# Altium PCB GrappleRobot_ControlBoard_V1.0.PcbDoc
Units mil, origin at the board's own origin, x right, y up, seen from the top; angles counter-clockwise.
Board outline 1968.5 x 1968.5 mil, 2 copper layers (Top Layer, Bottom Layer); 47 components, 51 nets, 189 pads, 69 vias.
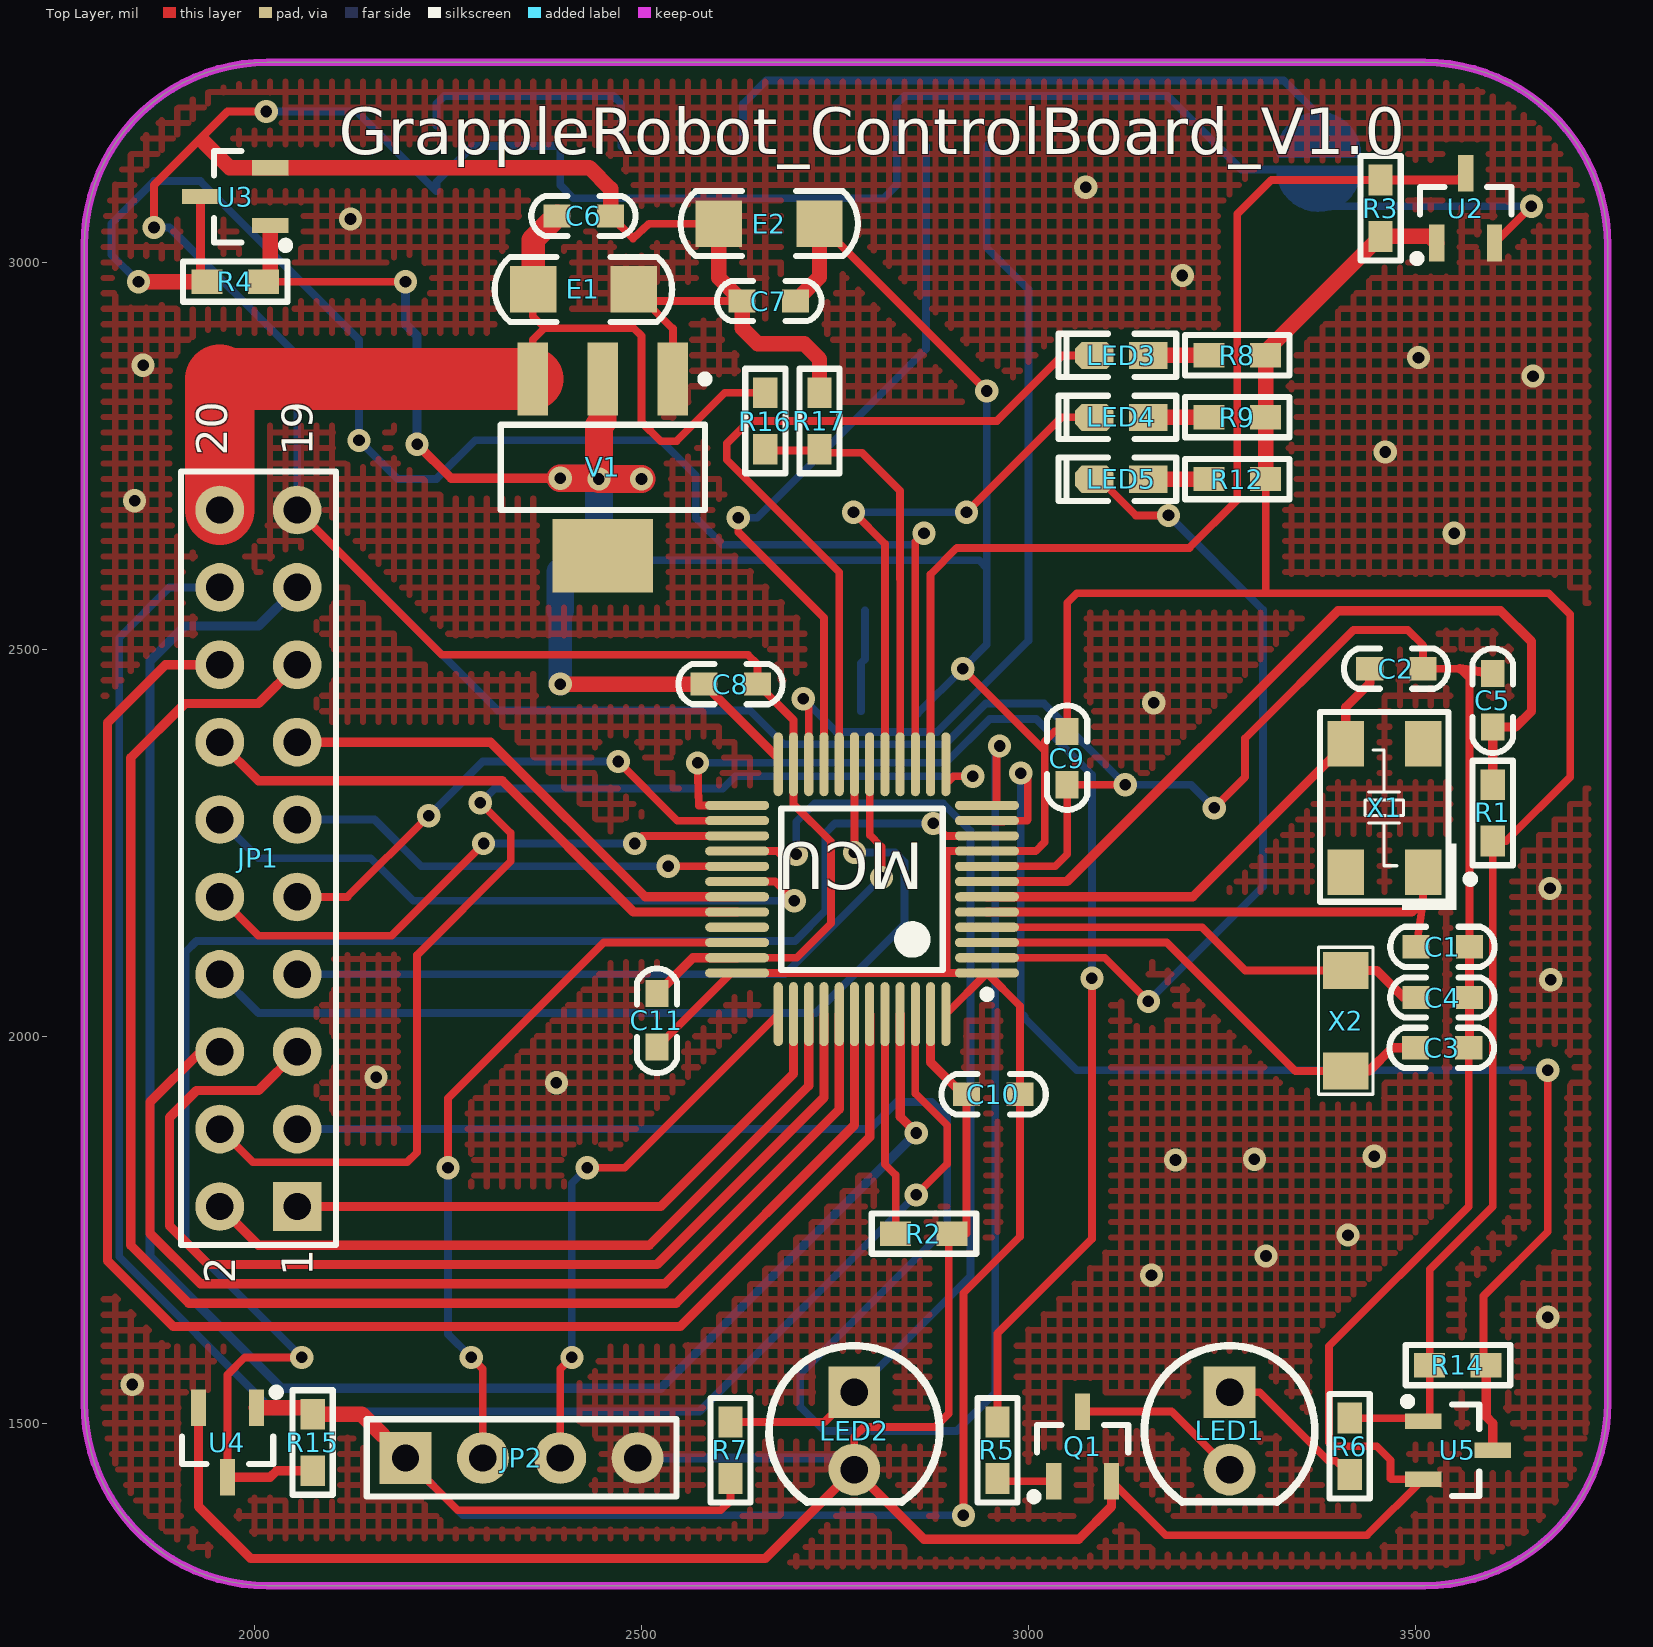
[diagram p0: Top Layer view]
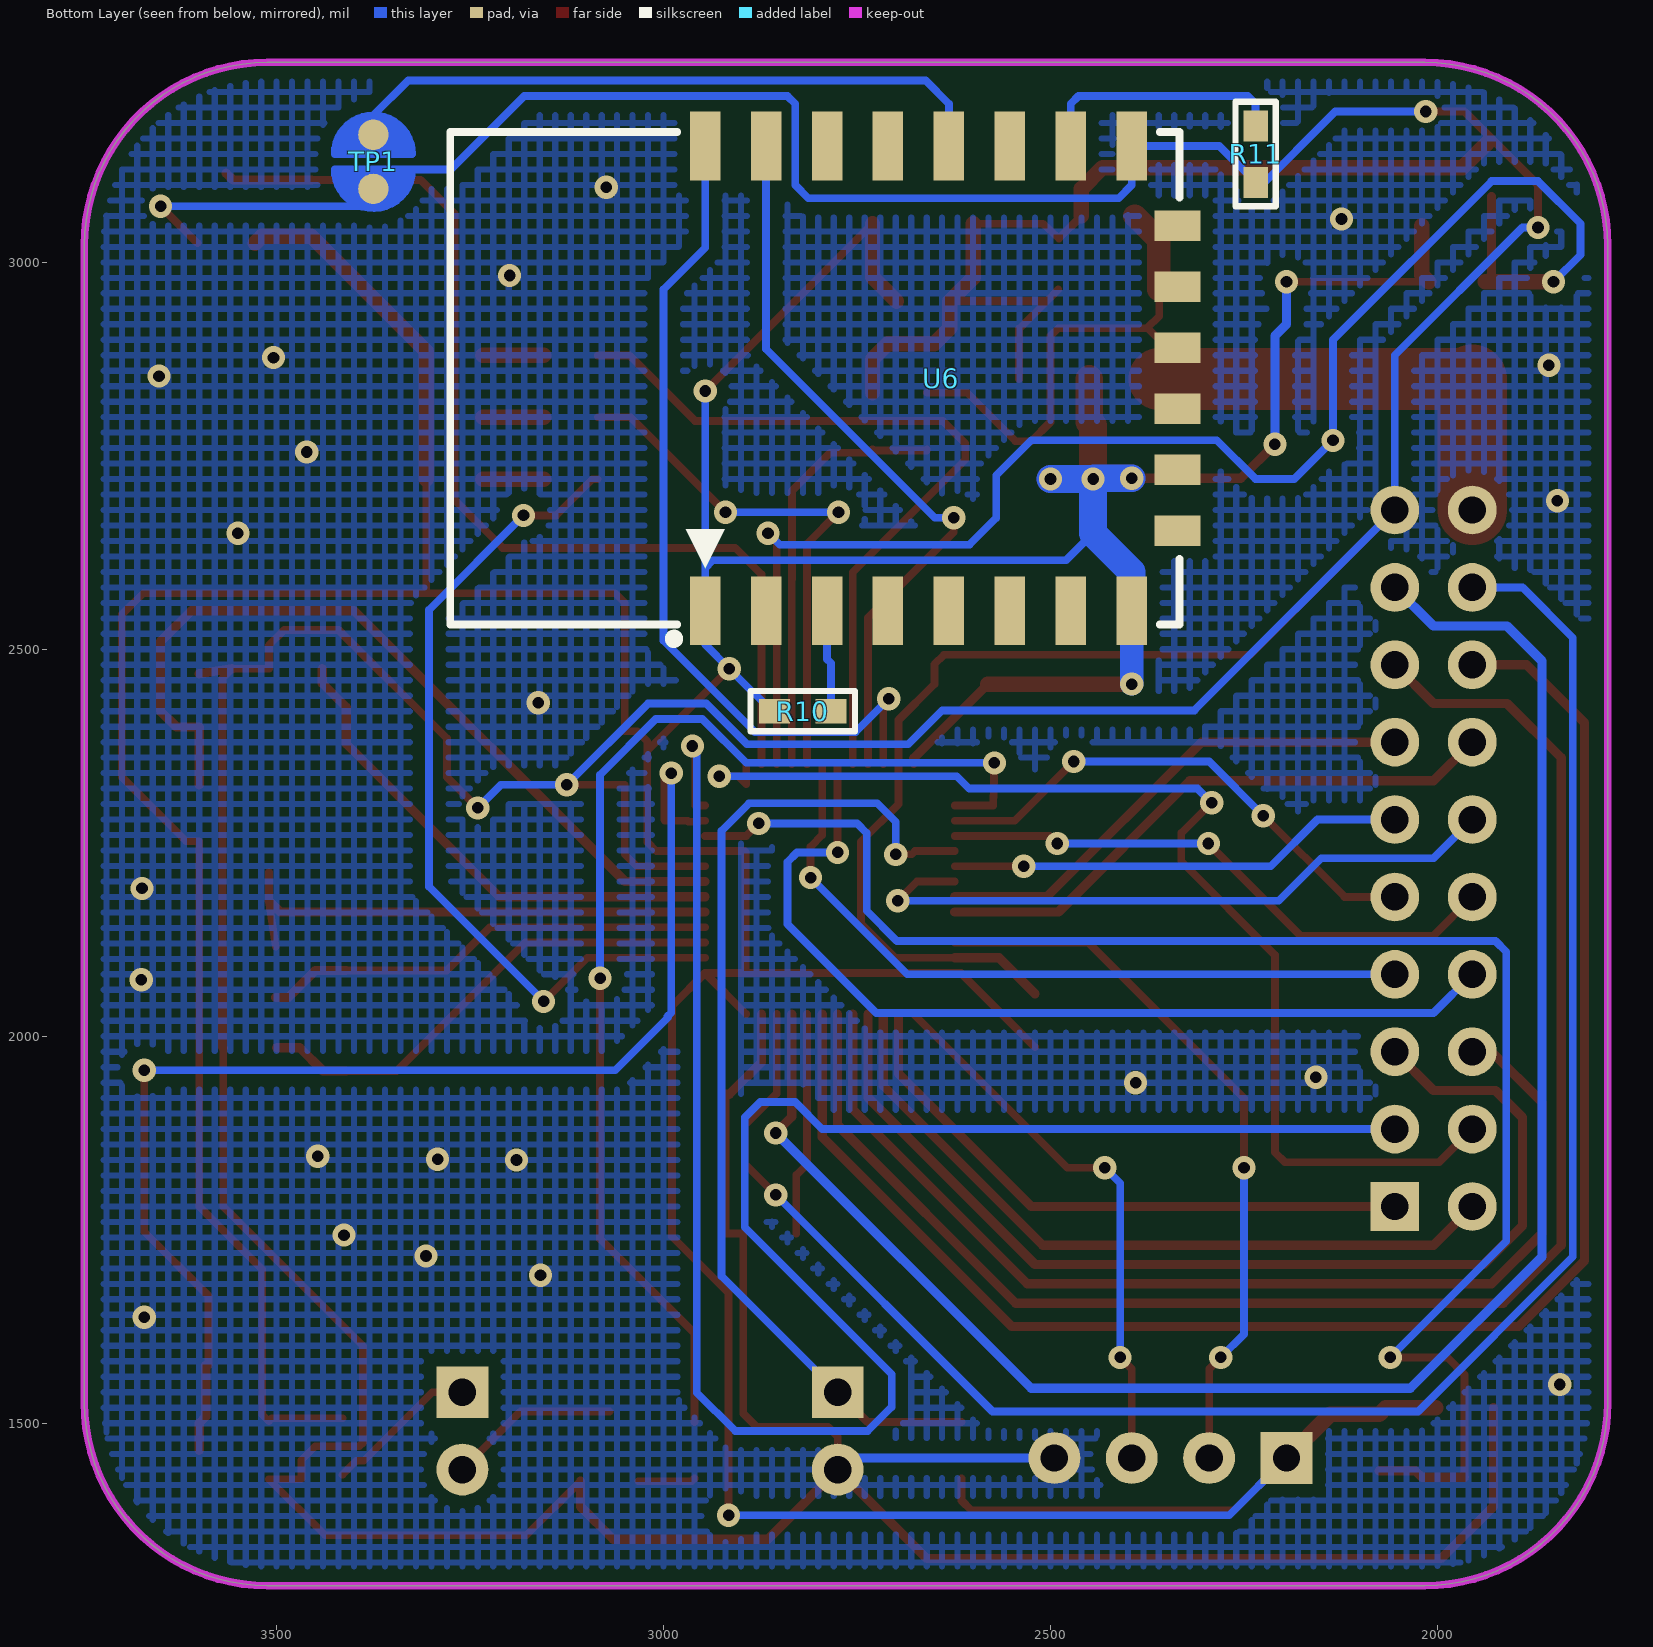
[diagram p1: Bottom Layer view, seen from below]

## Layer stack, top to bottom
Top Solder: solder mask 0.4, Solder Resist, Dk 3.5
Top Layer: signal copper 1.4
Dielectric 1: dielectric 12.6, FR-4, Dk 4.8
Bottom Layer: signal copper 1.4
Bottom Solder: solder mask 0.4, Solder Resist, Dk 3.5

## Board outline
1780,1526.22 ccw(c2016.22,1526.22) 2016.22,1290 3512.28,1290 ccw(c3512.28,1526.22) 3748.5,1526.22 3748.5,3022.28 ccw(c3512.28,3022.28) 3512.28,3258.5 2016.22,3258.5 ccw(c2016.22,3022.28) 1780,3022.28

## Design rules (kind name [scope] priority, off if disabled: settings)
Clearance [All] p1: gap=6
HoleToHoleClearance [All] p1: gap=6 allowstackedmicrovias=TRUE
MinimumSolderMaskSliver [All] p1: minsoldermaskwidth=4
PolygonConnect [All] p1: connectstyle=Direct reliefconductorwidth=10 reliefentries=4 polygonreliefangle="90 Angle" airgapwidth=10
RoutingVias [All] p1: holewidth=15 width=30 viastyle="Through Hole" minholewidth=15 minwidth=30 maxholewidth=100 maxwidth=200
SilkToSilkClearance [All] p1: silktosilkclearance=0
SilkToSolderMaskClearance [IsPad] p1: minsilkscreentomaskgap=0 clearancetoexposedcopper=TRUE
SolderMaskExpansion [All] p1: expansion=4
Width [All] p1: maxlimit=100 minlimit=6 preferedwidth=10
26 further rules are at their usual default settings.

## Components (designator, comment, footprint, x,y, rotation, side; value= is the part's Value field where it differs from the comment)
C1 "20pF" "C 0603" 3535,2115.53 r180 top
C2 "20pF" "C 0603" 3475,2475 r180 top
C3 "12pF" "C 0603" 3534,1985 r180 top
C4 "12pF" "C 0603" 3535,2050 r180 top
C5 "104" "C 0603" 3600,2433.5 r270 top
C6 "104" "C 0603" 2425,3060 r180 top
C7 "104" "C 0603" 2665,2950 r0 top
C8 "104" "C 0603" 2615,2455 r180 top
C9 "104" "C 0603" 3050,2360 r90 top
C10 "104" "C 0603" 2955,1925 r0 top
C11 "104" "C 0603" 2520,2020 r270 top
E1 "10uF/10V" "C 1206" 2425,2965 r0 top
E2 "10uF/10V" "C 1206" 2665,3050 r180 top
JP1 "Header 2X10" HDR-10X2 2055,1780 r90 top
JP2 "HDR-1X4" HDR-1X4 2195,1455 r0 top
LED1 "红外" "LED 5MM-B" 3260,1490 r270 top
LED2 "红外接收" "LED 5MM-B" 2775,1490 r270 top
LED3 "红色" "LED 0603R" 3120,2880 r180 top
LED4 "红色" "LED 0603R" 3120,2800 r180 top
LED5 "红色" "LED 0603R" 3120,2720 r180 top
MCU "STM32F103C8T6" LQFP48 2785,2190 r180 top (schematic designator U1)
Q1 "SS8050" SOT23-3N 3070,1470 r0 top
R1 "10K" "R 0603" 3600,2288.5 r270 top
R2 "10K" "R 0603" 2865,1745 r180 top
R3 "10K" "R 0603" 3455,3070 r270 top
R4 "10K" "R 0603" 1975,2975 r0 top
R5 "10K" "R 0603" 2960,1465 r90 top
R6 "1K" "R 0603" 3415,1470 r270 top
R7 "1K" "R 0603" 2615,1465 r90 top
R8 "1K" "R 0603" 3270,2880 r180 top
R9 "1K" "R 0603" 3270,2800 r180 top
R10 "1K" "R 0603" 2820,2420 r180 bottom
R11 "1K" "R 0603" 2235,3140 r270 bottom
R12 "1K" "R 0603" 3270,2720 r180 top
R14 "10K" "R 0603" 3555,1575 r180 top
R15 "10K" "R 0603" 2075,1475 r90 top
R16 "30K" "R 0603" 2660,2795 r270 top
R17 "20K" "R 0603" 2730,2795 r90 top
TP1 "" "DEBUG PAD2" 3375,3130 r270 bottom
U2 "44E" SOT23-3N 3565,3070 r0 top
U3 "44E" SOT23-3N 1975,3085 r90 top
U4 "44E" SOT23-3N 1965,1475 r180 top
U5 "44E" SOT23-3N 3555,1465 r270 top
U6 "ESP8266-12E" ESP_12E 2946.22,2535.24 r90 bottom
V1 "AMS1117-3V3" SOT223_N 2450,2735 r270 top
X1 "8M" XTAL-5032 3460,2295 r90 top
X2 "32.768KHz" XTAL-3215 3410,2020 r90 top

## Footprints (in the part's own frame and the unit in brackets; to place one, negate y for a bottom-side part, rotate by r counter-clockwise, add the part's x,y. Pads: shape width x height; smd on the part's side, far side on the other; paste and mask are expansions set on the pad)
"C 0603" [mil] "无极性贴片电容"
  rect 35x30 smd: 1(-35,0) 2(34,0)
  silkscreen extent -67,-26 67,26, body extent -31,-16 31,16, height 32
"C 1206" [mil] "无极性贴片电容"
  rect 60x60 smd: 1(-65,0) 2(65,0)
  silkscreen extent -115,-42 115,42, body extent -63,-32 63,32, height 48
"DEBUG PAD2" [mm] "调试断点焊盘"
  round 1 smd: 1(-0.889,0) 2(0.889,0)
  Top Layer region: 0.254,1.27 0.254,-1.27 0.762,-1.143 1.397,-0.508 1.524,0.254 1.27,0.762 1.016,1.016 0.508,1.27
  Top Layer region: -0.254,1.27 -0.254,-1.27 -0.762,-1.143 -1.397,-0.508 -1.524,0.254 -1.27,0.762 -1.016,1.016 -0.508,1.27
  Top Layer lines w0.254: 0.254,1.27 cw(c0.254,0) 1.473,-0.356 cw(c0.254,0) 1.458,-0.404 cw(c0.254,0) 0.254,-1.27 0.254,0.635 0.254,1.27 ; -0.254,1.27 ccw(c-0.254,0) -1.524,0 ccw(c-0.254,0) -0.254,-1.27 -0.254,1.27
ESP_12E [mm] "ESP-12 Wi-Fi Module by AI-Thinker"
  rect 2.25x1 smd: 1(0.375,0) 2(0.375,-2) 3(0.375,-4) 4(0.375,-6) 5(0.375,-8) 6(0.375,-10) 7(0.375,-12) 8(0.375,-14) 15(15.625,-14) 16(15.625,-12) 17(15.625,-10) 18(15.625,-8) 19(15.625,-6) 20(15.625,-4) 21(15.625,-2) 22(15.625,0)
  rect 1x1.5 smd: 9(3,-15.5) 10(5,-15.5) 11(7,-15.5) 12(9,-15.5) 13(11,-15.5) 14(13,-15.5)
  silkscreen extent -0.7,-15.57 16.08,8.37, body extent 0,-15.49 16,8.51, height 2.75
HDR-1X4 [mm] "排针，4脚"
  rect 1.7x1.7 hole 0.9: 1(0,0)
  round 1.7 hole 0.9: 2(2.54,0) 3(5.08,0) 4(7.62,0)
  silkscreen extent -1.27,-1.27 8.89,1.27, body extent -1.27,-1.27 8.89,1.27, height 8.5
HDR-10X2 [mm] "双排排针，10x2脚"
  rect 1.6x1.6 hole 0.9: 1(0,0)
  round 1.6 hole 0.9: 2(0,2.54) 3(2.54,0) 4(2.54,2.54) 5(5.08,0) 6(5.08,2.54) 7(7.62,0) 8(7.62,2.54) 9(10.16,0) 10(10.16,2.54) 11(12.7,0) 12(12.7,2.54) 13(15.24,0) 14(15.24,2.54) 15(17.78,0) 16(17.78,2.54) 17(20.32,0) 18(20.32,2.54) 19(22.86,0) 20(22.86,2.54)
  silkscreen extent -1.27,-1.27 24.13,3.81, body extent -1.27,-1.27 24.13,3.81, height 8.5
"LED 5MM-B" [mm] "蓝色5mm直插LED"
  rect 1.7x1.7 hole 0.9: 1(-1.27,0)
  round 1.7 hole 0.9: 2(1.27,0)
  silkscreen extent -2.8,-2.8 2.33,2.8, body extent -2.85,-2.85 2.45,2.85, height 8.75
"LED 0603R" [mil] "红色0603LED"
  rect 50x35 smd: 1(-35,0.26)
  oct 50x35 smd: 2(35,0.26)
  silkscreen extent -71,-28 81,28, body extent -31,-16 32,16, height 24
LQFP48 [mm]
  oval 2.1x0.3 smd: 1(-4.1,2.75) 2(-4.1,2.25) 3(-4.1,1.75) 4(-4.1,1.25) 5(-4.1,0.75) 6(-4.1,0.25) 7(-4.1,-0.25) 8(-4.1,-0.75) 9(-4.1,-1.25) 10(-4.1,-1.75) 11(-4.1,-2.25) 12(-4.1,-2.75) 25(4.1,-2.75) 26(4.1,-2.25) 27(4.1,-1.75) 28(4.1,-1.25) 29(4.1,-0.75) 30(4.1,-0.25) 31(4.1,0.25) 32(4.1,0.75) 33(4.1,1.25) 34(4.1,1.75) 35(4.1,2.25) 36(4.1,2.75)
  oval 0.3x2.1 smd: 13(-2.75,-4.1) 14(-2.25,-4.1) 15(-1.75,-4.1) 16(-1.25,-4.1) 17(-0.75,-4.1) 18(-0.25,-4.1) 19(0.25,-4.1) 20(0.75,-4.1) 21(1.25,-4.1) 22(1.75,-4.1) 23(2.25,-4.1) 24(2.75,-4.1) 37(2.75,4.1) 38(2.25,4.1) 39(1.75,4.1) 40(1.25,4.1) 41(0.75,4.1) 42(0.25,4.1) 43(-0.25,4.1) 44(-0.75,4.1) 45(-1.25,4.1) 46(-1.75,4.1) 47(-2.25,4.1) 48(-2.75,4.1)
  silkscreen extent -4.23,-2.65 2.65,3.57
"R 0603" [mil] "1/10W贴片电阻"
  rect 40x31.5 smd: 1(-36.5,0) 2(36.5,0)
  silkscreen extent -68,-26 68,26, body extent -31,-16 32,16, height 16
SOT23-3N [mm] "3x1.3x1mm(长宽高)"
  rect 0.5x1.2 smd: 1(-0.95,-1.143) 2(0.95,-1.143) 3(0,1.143)
  silkscreen extent -1.72,-1.78 1.5,0.7, body extent -1.5,-1.2 1.5,1.2, height 1.05
SOT223_N [mm] "SOT223, 4-Leads, Body 6.5x3.5mm, Pitch 2.3mm, Lead Span 7mm, IPC Medium Density"
  rect 2.4x1 smd: 1(-2.9,2.3) 2(-2.9,0) 3(-2.9,-2.3)
  rect 2.4x3.3 smd: 4(2.9,0)
  silkscreen extent -3.02,-3.35 1.4,3.48, body extent -1.85,-3.35 1.85,3.35, height 1.7
XTAL-3215 [mm]
  rect 1.2x1.5 smd: 1(-1.65,0) 2(1.65,0)
  silkscreen extent -2.41,-0.89 2.41,0.89, body extent -1.6,-0.75 1.6,0.75, height 0.81
XTAL-5032 [mm]
  rect 1.5x1.2 smd: 1(-2.108,-1.27) 2(2.108,-1.27) 3(2.108,1.27) 4(-2.108,1.27)
  silkscreen extent -3.35,-2.95 3.15,2.11, body extent -2.5,-1.6 2.5,1.6, height 1

## Part data
C1 C2 C3 C4 C5 C6 C7 C8 C9 C10 C11: library part C, "无极性贴片电容"
E1 E2: library part C-CM, "贴片电解电容"
JP1: library part "Header 10X2", "10*2P接插件"
JP2: library part "Header 4", "4P接插件"
LED1 LED2 LED3 LED4 LED5: library part LED-5MM, "5mm插件LED"
MCU: "STM32 ARM-based 32-bit MCU with 64 Kbytes Flash, 48-pin LQFP, Industrial Temperature"
Q1: library part 8050-SMD, "高频放大-NPN型"
R1 R2 R3 R4 R5 R6 R7 R8 R9 R10 R11 R12 R14 R15 R16 R17: library part R, "贴片电阻"
TP1: library part DEBUG, "调试断点焊盘"
U6: "串口 WIFI模块，ESP-12E"
V1: library part AMS1117, "三端稳压芯片"
X1: library part XTAL-4, "4脚晶振"
X2: library part XTAL-2, "2脚晶振"

## Via types
v1: diameter 30, hole 15, Top Layer to Bottom Layer, 69 vias

## Nets (pads, with @x,y where several pads share a name; then routed paths per layer and width w, separated by ;. In a path a pad name is that pad's centre, name@x,y a point inside that pad or via, vN(x,y) a via of type N, cw(c..) or ccw(c..) an arc to the next point about the centre after c; other vN are vias at no path point)
GND: C1.1 C2.1 C3.1 C4.1 C5.1 C6.1 C7.1 C8.1 C9.1 C10.1 C11.1 E1.2 E2.2 JP1.19 JP2.4 LED2.2 MCU.8 MCU.23 MCU.35 MCU.47 Q1.2 R2.1 R11.2 R17.2 TP1.2 U2.2 U3.2 U4.2 U5.2 U6.15 V1.1 | length 11828.5
  Top Layer w10: v1(1870,3045) 1870,3100 1965,3195 v1(2015,3195) ; JP1.19 2242,2493 2637.5,2493 2650,2480.5 C8.1 2696.42,2408.58 MCU.23 2696.42,2300 2745,2251.42 2745,2146 2700.42,2101.42 MCU.35 ; C6.1 2489,3031 2510,3050 E2.2 ; E1.2 E1.2@2505.01,2950 ; V1.1 2540.55,2914.45 E1.2@2505.01,2950 ; C7.1 E1.2@2505.01,2950 ; LED2.2 2775,1482.5 2787.5,1495 2879.5,1495 2897,1512.5 2897,1745 R2.1 2920,1745 C10.1 ; MCU.8 3034.53,2219.53 3050,2235 C9.1 v1(3125,2325) ; Q1.2 3177.4,1355 3437.4,1355 U5.2 3469,1427.6 3468,1428.6 3468,1452 3450,1470 3393.25,1470 3388.25,1475 3388.25,1599.25 3569,1780 C3.1 ; v1(3240,2295) 3280,2335 3280,2385 3420,2525 3490,2525 3510,2505 C2.1 3557.5,2475 3570,2462.5 C1.1 ; U2.2 v1(3650,3072.6)
  Top Layer w12: U4.2 1927.6,1392.4 1995,1325 2660,1325 LED2.2 2865,1350 3065,1350 3107.4,1392.4 Q1.2 ; C11.1 2566.42,2101.42 MCU.35 ; MCU.47 2873.58,1966.42 2915,1925 C10.1 ; 3557.5,2475 C5.1 ; C3.1 3570,1986 C4.1 C1.1
  Top Layer w20: 1935,3155 1967.6,3122.4 U3.2 2432.6,3122.4 2460,3095 C6.1 ; E2.2 2600,2980 C7.1 2630,2915 2650,2895 2710,2895 2730,2875 R17.2
  Bottom Layer w10: v1(1870,3045) 1890,3045 2055,2880 JP1.19 2314,2421 2640.04,2421 2683.79,2377.25 2892.25,2377.25 2945,2430 3020,2430 v1(3125,2325) 3210,2325 v1(3240,2295) ; v1(2015,3195) 2132,3195 2235,3092 R11.2 2281.89,3150.39 U6.15 2395.04,3100 2412.04,3083 2813,3083 2830,3100 2830,3205 2840,3215 3180,3215 3275,3120 3325,3120 ; 3425,3120 3400,3095 TP1.2 3350,3120 3325,3120 ; v1(3650,3072.6) 3390.91,3072.6 3389.6,3072.6 3389,3072 3373,3072 3325,3120
  Bottom Layer w12: JP2.4 2760,1455 LED2.2
  other v1: 1842,1550 3671,1637 3159,1691 3307,1716 3413,1743 3190,1840 3292,1841 3447,1845 2390,1940 2157,1947 3675,2073 3674,2191 3162,2431 3550,2650 1845,2692 3461,2755 3652,2853 1856,2867 3504,2877 3199,2983 2124,3056 3074,3097
NetLED1_1: LED1.1 R6.2 | length 199.1
  Top Layer w10: LED1.1 3298.92,1540 3387.5,1451.42 3397.08,1451.42 R6.2
NetLED1_2: LED1.2 Q1.3 | length 221.1
  Top Layer w10: Q1.3 3185,1515 LED1.2
NetLED3_1: LED3.1 R8.2 | length 78.6
  Top Layer w20: LED3.1 3233.24,2879.74 R8.2
NetLED4_1: LED4.1 R9.2 | length 78.6
  Top Layer w20: LED4.1 3233.24,2799.74 R9.2
NetLED5_1: LED5.1 R12.2 | length 78.6
  Top Layer w20: LED5.1 3233.24,2719.74 R12.2
NetQ1_1: Q1.1 R5.1 | length 74
  Top Layer w10: R5.1 2963.5,1425 Q1.1
NetR2_2: MCU.44 R2.2 | length 289.4
  Top Layer w10: MCU.44 2814.53,1834.53 2828.5,1820.56 R2.2
NetR10_2: R10.2 U6.3 | length 132.2
  Bottom Layer w10: R10.2 2783.5,2482 2788.74,2487.24 U6.3
NetR11_1: R11.1 U6.16 | length 330.2
  Bottom Layer w10: R11.1 2235,3205 2245,3215 2463.78,3215 2473.78,3205 U6.16
NetTP1_1: TP1.1 U6.18 | length 925.1
  Bottom Layer w10: U6.18 2631.26,3205 2661.26,3235 3330,3235 3375,3190 3400,3165 ; TP1.1 3400,3165 ; 3425,3140 3400,3165
OSC_IN1: C1.2 MCU.5 X1.1 | length 666.7
  Top Layer w10: C1.2 3510,2175 X1.1
  Top Layer w12: MCU.5 3495.47,2160.47 3510,2175
OSC_IN2: C3.2 MCU.3 X2.1 | length 634.8
  Top Layer w10: MCU.3 3178.9,2121.1 3344.96,1955.04 X2.1
  Top Layer w12: X2.1 3440.04,1955.04 3470,1985 C3.2
OSC_OUT1: C2.2 MCU.6 X1.3 | length 655.4
  Top Layer w12: MCU.6 3212.16,2180.16 X1.3 3410,2425 3441,2456 C2.2
OSC_OUT2: C4.2 MCU.4 X2.2 | length 592.2
  Top Layer w10: MCU.4 3224.21,2140.79 3280.04,2084.96 X2.2
  Top Layer w12: X2.2 3450.04,2084.96 3485,2050 C4.2
PA0: MCU.10 R15.1 U4.3 | length 2107.2
  Top Layer w10: U4.3 1965,1562.5 1987.5,1585 v1(2061,1585) ; v1(2877,2275) 2893.1,2258.9 MCU.10
  Top Layer w12: U4.3 2020,1430 2028.5,1438.5 R15.1
  Bottom Layer w10: v1(2061,1585) 1911,1735 1911,2109 1925,2123 2698.5,2123 2737.5,2162 2737.5,2262.5 2750,2275 v1(2877,2275)
PA1: MCU.11 R14.1 U5.3 | length 1680.6
  Top Layer w10: MCU.11 2953.06,2278.58 2954.37,2277.27 2967.63,2277.27 2968.94,2278.58 2998,2278.58 2999,2279.58 2999,2338 2998,2339 2997,2339 2994,2336 v1(2990,2340) ; R14.1 3588,1575 3588,1664.39 3671,1747.39 v1(3671,1956)
  Top Layer w12: R14.1 3591.5,1508.5 3600,1500 U5.3
  Bottom Layer w10: v1(2990,2340) 2990,2030.5 2995,2025.5 2994,2024.5 3062.5,1956 v1(3671,1956)
PA2: JP1.3 MCU.12 | length 2534.3
  Top Layer w10: MCU.12 2958.78,2298.27 2958.78,2376.78 2960.56,2375 v1(2962.78,2375)
  Bottom Layer w10: JP1.3 2795,1880 2830,1915 2875,1915 2895,1895 2895,1753 2705,1563 2705,1521 2736,1490 2907.5,1490 2957,1539.5 2957,2369.22 v1(2962.78,2375)
PA3: JP1.4 MCU.13 | length 1511.1
  Top Layer w10: JP1.4 1998,1837 2197,1837 2210,1850 2210,2105 2331,2226 2331,2262.5 v1(2291.75,2301.75) ; MCU.13 2893.27,2326 2903.27,2336 v1(2928,2336)
  Bottom Layer w10: v1(2291.75,2301.75) 2310,2320 2605,2320 2621,2336 v1(2928,2336)
PA4: MCU.14 R3.1 U2.3 | length 1368
  Top Layer w10: MCU.14 2873.58,2596.98 2907.6,2631 3208,2631 3270,2693 3270,3062.5 3314,3106.5 R3.1
  Top Layer w12: R3.1 3556.5,3106.5 U2.3
PA5: MCU.15 R4.1 U3.3 | length 2018.3
  Top Layer w10: MCU.15 2853.9,2638.9 v1(2865,2650)
  Top Layer w12: U3.3 1930,2983.5 R4.1
  Top Layer w20: v1(1850,2975) R4.1
  Bottom Layer w10: v1(1850,2975) 1815,3010 1815,3050 1870,3105 1930,3105 2135,2900 v1(2135,2770) 2185,2720 2235,2720 2285,2770 2525,2770 2570,2725 2570,2669.79 2604.79,2635 2850,2635 v1(2865,2650)
PA6: MCU.16 R16.2 R17.1 | length 554.2
  Top Layer w10: R16.2 2660,2756.79 R17.1@2730,2756.79 ; R17.1 R17.1@2730,2756.79 ; MCU.16 2834.21,2590.68 2834,2590.89 2834,2705 2785,2754 2730,2754 R17.1@2730,2756.79
PA7: LED4.2 MCU.17 | length 704.3
  Top Layer w10: v1(2773.94,2677) 2814.53,2636.41 MCU.17 ; v1(2920,2677) 3042.74,2799.74 LED4.2
  Bottom Layer w10: v1(2773.94,2677) v1(2920,2677)
PA8: JP1.11 MCU.29 | length 593.6
  Top Layer w10: v1(2534.53,2219.53) MCU.29
  Bottom Layer w10: JP1.11 2155,2280 2215.47,2219.53 v1(2534.53,2219.53)
PA9: JP1.12 MCU.30 | length 870.2
  Top Layer w10: MCU.30 2672.66,2199.84 v1(2697.5,2175)
  Bottom Layer w10: JP1.12 2005,2230 2150,2230 2205,2175 v1(2697.5,2175)
PA10: JP1.13 MCU.31 | length 651.4
  Top Layer w12: JP1.13 2305,2380 2504.84,2180.16 MCU.31
PA11: JP1.14 MCU.32 | length 759.5
  Top Layer w12: JP1.14 2005,2330 2320,2330 2489.53,2160.47 MCU.32
PA12: MCU.33
PA13: JP2.2 MCU.34 | length 940.5
  Top Layer w10: v1(2250,1830) 2250,1920 2451.1,2121.1 MCU.34 ; v1(2280,1585) 2295,1570 JP2.2
  Bottom Layer w10: v1(2250,1830) 2250,1615 v1(2280,1585)
PA14: JP2.3 MCU.37 | length 718.5
  Top Layer w10: JP2.3 2395,1570 v1(2410,1585) ; v1(2430,1830) 2478.15,1830 MCU.37
  Bottom Layer w10: v1(2410,1585) 2410,1810 v1(2430,1830)
PA15: JP1.1 MCU.38 | length 789.6
  Top Layer w12: JP1.1 2525,1780 2696.42,1951.42 MCU.38
PB0: JP1.7 MCU.18 | length 959.5
  Top Layer w10: MCU.18 2794.84,2260.16 2810,2245 v1(2810,2205)
  Bottom Layer w10: JP1.7 2685,2080 v1(2810,2205)
PB1: JP1.8 MCU.19 | length 1217.3
  Top Layer w10: v1(2775.16,2237.5) MCU.19
  Bottom Layer w10: JP1.8 2005,2030 2725,2030 2840,2145 2840,2225 2827.5,2237.5 v1(2775.16,2237.5)
PB2: LED3.2 MCU.20 | length 996.9
  Top Layer w10: MCU.20 2755.47,2599.53 2610,2745 2610,2766 2639,2795 2959.26,2795 3044,2879.74 LED3.2
PB3: JP1.2 MCU.39 | length 959.7
  Top Layer w12: JP1.2 2005,1730 2510,1730 2716.1,1936.1 MCU.39
PB4: JP1.5 MCU.40 | length 1403.9
  Top Layer w12: JP1.5 2005,1930 1925,1930 1890,1895 1890,1755 1940,1705 2520,1705 2735.79,1920.79 MCU.40
PB5: JP1.6 MCU.41 | length 1420.8
  Top Layer w12: JP1.6 1930,1980 1865,1915 1865,1745 1930,1680 2530,1680 2755.47,1905.47 MCU.41
PB6: JP1.15 MCU.42 | length 2099.7
  Top Layer w12: JP1.15 2005,2430 1910,2430 1840,2360 1840,1730 1915,1655 2545,1655 2775.16,1885.16 MCU.42
PB7: JP1.16 MCU.43 | length 2151.3
  Top Layer w12: JP1.16 1885,2480 1810,2405 1810,1710 1895,1625 2550,1625 2794.84,1869.84 MCU.43
PB8: JP1.17 MCU.45 | length 2358.6
  Top Layer w12: MCU.45 2834.21,1895.79 v1(2855,1875)
  Bottom Layer w12: JP1.17 2005,2530 1910,2530 1865,2485 1865,1715 2035,1545 2525,1545 v1(2855,1875)
PB9: JP1.18 MCU.46 | length 2452.9
  Top Layer w10: MCU.46 2853.9,1926.1 2895,1885 2895,1835 v1(2855,1795)
  Bottom Layer w10: JP1.18 1890,2580 1825,2515 1825,1715 2025,1515 2575,1515 v1(2855,1795)
PB10: MCU.21 U6.21 | length 959.7
  Top Layer w10: v1(2625,2670) 2625,2651.56 2735.79,2540.77 MCU.21
  Bottom Layer w10: v1(2625,2670) 2649.56,2670 2867.48,2887.92 U6.21
PB11: MCU.22 U6.22 | length 1106.7
  Top Layer w10: v1(2709,2436) 2716.1,2428.9 MCU.22
  Bottom Layer w10: v1(2709,2436) 2751.75,2393.25 2882.25,2393.25 3000,2511 3000,2965.22 2946.22,3019 U6.22
PB12: MCU.25 R5.2 | length 1554.5
  Top Layer w10: v1(2572.46,2353.23) 2574,2298.27 MCU.25 ; R5.2 2960,1616 3082,1738 v1(3082,2075)
  Bottom Layer w10: v1(2572.46,2353.23) 2893.23,2353.23 2950,2410 3010,2410 3082,2338 v1(3082,2075)
PB13: JP1.9 MCU.26 | length 672.7
  Top Layer w10: JP1.9 2120,2180 v1(2225,2285) ; v1(2470,2355) 2546.42,2278.58 MCU.26
  Bottom Layer w10: v1(2225,2285) 2295,2355 v1(2470,2355)
PB14: JP1.10 MCU.27 | length 742.7
  Top Layer w10: JP1.10 2005,2130 2177,2130 v1(2296,2249) ; v1(2491.2,2249) 2501.1,2258.9 MCU.27
  Bottom Layer w10: v1(2296,2249) v1(2491.2,2249)
PB15: LED2.1 MCU.28 R7.2 | length 1333.4
  Top Layer w10: R7.2 2736.5,1501.5 LED2.1 ; MCU.28 2675,2239.21 2679.21,2235 v1(2700,2235)
  Bottom Layer w10: v1(2700,2235) 2700,2277 2724,2301 2889.5,2301 2925,2265.5 2925,1690 LED2.1
PC13: LED5.2 MCU.2 | length 1087.2
  Top Layer w10: MCU.2 3098.58,2101.42 v1(3155,2045) ; LED5.2 3092,2719.74 3138.74,2673 v1(3181,2673)
  Bottom Layer w10: v1(3155,2045) 3303,2193 3303,2551 v1(3181,2673)
RST: C5.2 MCU.7 R1.1 | length 1088.2
  Top Layer w12: MCU.7 3049.84,2199.84 3400,2550 3610,2550 3650,2510 3650,2420 3629.5,2399.5 C5.2 R1.1
V3D3: C7.2 C8.2 C9.2 C10.2 C11.2 E2.1 JP2.1 MCU.1 MCU.9 MCU.24 MCU.36 MCU.48 R1.2 R3.2 R4.2 R6.1 R7.1 R8.1 R9.1 R10.1 R12.1 R14.2 R15.2 U2.1 U3.1 U4.1 U5.1 U6.1 U6.8 V1.2 | length 9031.6
  Top Layer w10: R4.2 v1(2195,2975) ; JP2.1 2262.5,1387.5 2602.5,1387.5 2615,1400 R7.1 ; C11.2 2615.73,2081.73 MCU.36 2895,2081.73 ; MCU.24 MCU.24@2676.73,2359.27 ; E2.1 v1(2946.22,2833.77) ; MCU.48 MCU.1 ; v1(2915,2475) 3021,2369 ; v1(2916,1381) 2916,1668 2989,1741 C10.2 2989,2039.15 MCU.1 ; R12.1 3306.5,2572.5 ; R6.1 3505.9,1506.5 U5.1 3518.5,1510.9 R14.2 3518.5,1698.5 3600,1780 R1.2 3617,2252 3700,2335 3700,2545 3672.5,2572.5 3306.5,2572.5 ; 2895,2081.73 MCU.1 ; 2895,2081.73 2894,2082.73 2894,2238.21 2895,2239.21 MCU.9 3009.21,2239.21 3021,2251 3021,2369 ; 3021,2369 3021,2381 3034,2394 C9.2 3050,2560 3062.5,2572.5 3306.5,2572.5
  Top Layer w12: v1(2210,2765) 2254,2721 v1(2395.04,2721) ; C8.2 MCU.24@2676.73,2359.27
  Top Layer w20: U4.1 2066.5,1520 R15.2 2138.5,1511.5 JP2.1 ; R4.2 2020,2983.5 U3.1 ; v1(2395.04,2455) C8.2 ; C7.2 2730,2981 E2.1 ; R12.1 R9.1 R8.1 3306.5,2885 R3.2 3519.1,3033.5 U2.1
  Top Layer w36: v1(2395.04,2721) v1@2445,2721 ; V1.2 2450,2794 2445,2789 v1@2445,2721 ; v1(2500,2720) v1(2445,2720) v1@2445,2721
  Bottom Layer w10: JP2.1 2269,1381 v1(2916,1381) ; 2449,2646 2480,2615 2936.22,2615 2946.22,2605 ; R10.1 2856.5,2416.5 v1(2915,2475) 2946.22,2506.22 U6.1 2946.22,2605 ; v1(2946.22,2833.77) 2946.22,2605
  Bottom Layer w12: v1(2195,2975) 2195,2920 2210,2905 v1(2210,2765)
  Bottom Layer w30: v1(2395.04,2455) U6.8
  Bottom Layer w36: U6.8 2395.04,2600.04 2445,2650 v1(2445,2720) ; v1(2395.04,2721) 2444,2721 v1(2445,2720) ; v1(2500,2720) v1(2445,2720)
V7D4: C6.2 E1.1 JP1.20 R16.1 V1.3 | length 1247.3
  Top Layer w10: V1.3 2359.45,2900 2374.72,2915.28 ; E1.1 2359.45,2964.45 2359.45,2930.55 2374.72,2915.28 ; R16.1 2607.75,2831.5 2545.08,2768.83 2524.85,2768.83 2500,2793.67 2500,2905 2490,2915 2375,2915 2374.72,2915.28
  Top Layer w30: E1.1 2360,3029 C6.2
  Top Layer w80: 1955,2849.17 V1.3
  Top Layer w90: JP1.20 1955,2849.17
pads on no net: U6.2 U6.4 U6.5 U6.6 U6.7 U6.9 U6.10 U6.11 U6.12 U6.13 U6.14 U6.17 U6.19 U6.20 V1.4 X1.2 X1.4

## Polygon pours and split planes (outlines as drawn)
GND on Top Layer "Top Layer-No Net" (hatched 90Degree grid 20 track 8, remove dead copper, pour order 14): 1619,1662 1684,1597 1684,1264 1684,1250 1865,1069 1908,1026 3770,1026 3770,1074 4215,1519 4042,1692 4042,3458 3294,3458 3216,3536 3129,3449 1593,3449
GND on Bottom Layer "Top Layer-No Net" (hatched 90Degree grid 20 track 8, remove dead copper, pour order 16): 1506,3419 1506,1076 1570,1012 1581,1001 3963,1001 3963,3406 3917,3452 3892,3427 1506,3427

## Keep-outs
Keep-Out Layer:
  the board outline again, w10

## Silkscreen, mask and mechanical layers (free items; w line width, h text height)
Top Overlay:
  text "GrappleRobot_ControlBoard_V1.0" at 2109,3140 h60

## Text inside footprints (layer, text, board x,y; h text height)
JP1: Top Overlay "2" at 1975,1680 h40 r90; Top Overlay "1" at 2075,1690 h40 r90; Top Overlay "20" at 1965,2750 h40 r90; Top Overlay "19" at 2075,2750 h40 r90
U6: Mechanical 13 "ANTENNA AREA" at 3256.22,2540.24 h10 r270; Mechanical 13 "CUTOUT POLYGON" at 3236.22,2540.24 h10 r270